# Altium PCB 400442.PcbDoc (part 2 of 4) (continued)
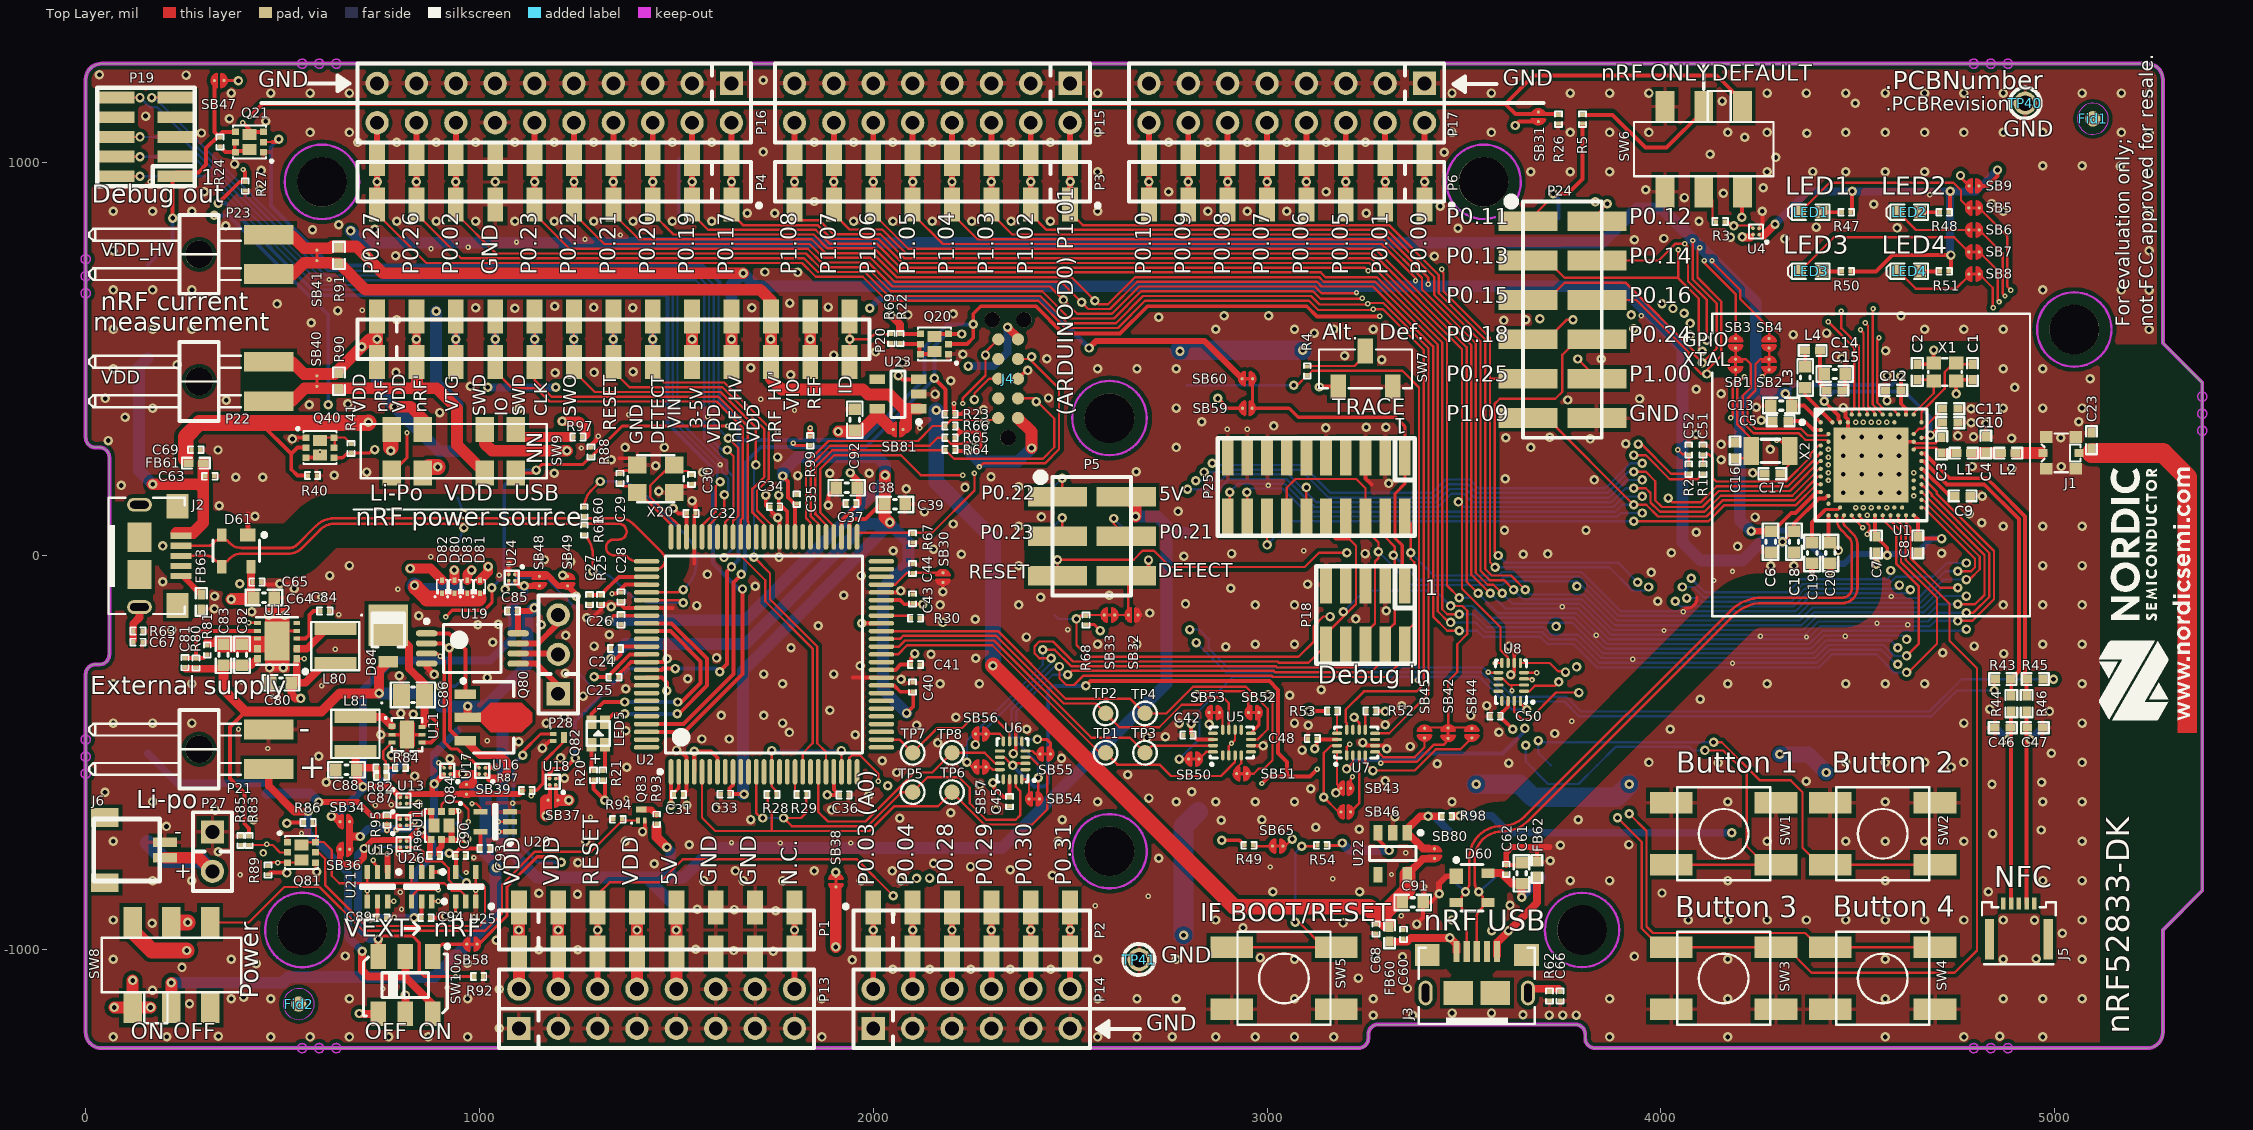
[diagram p0: Top Layer view]
## Nets (pads, with @x,y where several pads share a name; then routed paths per layer and width w, separated by ;. In a path a pad name is that pad's centre, name@x,y a point inside that pad or via, vN(x,y) a via of type N, cw(c..) or ccw(c..) an arc to the next point about the centre after c; other vN are vias at no path point) (continued)
  Bottom Layer w5.91: v1(137.98,1064) 240.49,1064 252.24,1052.24 ; 252.18,1052.18 604.35,700 1549,700 1571,678 1571,296.74 1628,239.74 1628,217.97 1644,201.97 1644,19 v1(1621,-4)
EXT_VTG: P19.1 Q21.4 R24.1 SB47.2 TP53.1 | length 616.6
  Top Layer w10: v1(221,858) 221,955.24 P19.1@229.76,964 ; P19.1@229.76,974 285.99,974 305.99,994 305.99,1035.68 R24.1@336.77,1066.45 ; SB47.2@326.7,1207 326.7,1076.52 R24.1@336.77,1066.45 ; R24.1@341,1062.22 340.41,1062.22 340.09,1062.53 340.09,1063.13 R24.1@336.77,1066.45 ; 341,1070.68 346.9,1076.59 Q21.4@378.6,1076.59
  Bottom Layer w10: TP53.1@157.48,738.19 221,801.71 v1(221,858)
GND: Bat1.2 C1.2 C2.2 C3.1 C4.1 C5.2 C6.2 C7.2 C8.2 C9.2 C10.1 C11.2 C12.2 C13.2 C14.1 C15.2 C16.1 C17.1 C18.2 C19.2 C20.2 C23.2 C24.1 C25.1 C26.1 C27.1 C28.1 C29.2 C30.2 C31.1 C32.2 C33.1 C34.1 C35.1 C36.1 C37.1 C38.1 C39.1 C40.1 C41.1 C42.1 C43.1 C44.1 C45.1 C46.2 C47.1 C48.1 C50.1 C51.1 C52.2 C60.1 C61.1 C62.1 C63.2 C64.1 C65.1 C66.1 C67.1 C68.1 C69.1 C80.1 C82.1 C83.1 C84.1 C85.1 C86.1 C88.1 C89.1 C90.1 C91.1 C92.1 C93.1 C94.1 D60.1 D61.1 FB62.2 FB63.2 J1.2 J4.3 J6.1 P1.6 P1.7 P4.7 P7.6 P7.7 P10.7 P13.1 P13.3 P13.5 P13.7 P13.9 P13.11 P13.12 P13.13 P13.14 P13.15 P14.1 P14.3 P14.5 P14.7 P14.9 P14.11 P15.1 P15.3 P15.5 P15.7 P15.9 P15.11 P15.13 P15.15 P16.1 P16.3 P16.5 P16.7 P16.9 P16.11 P16.13 P16.14 P16.15 P16.17 P16.19 P17.1 P17.3 P17.5 P17.7 P17.9 P17.11 P17.13 P17.15 P18.3 P18.5 P18.9 P19.3 P19.5 P21.1 P24.12 P25.3 P25.5 P25.9 P25.15 P25.17 P25.19 P27.1 Q20.1 Q21.1 Q40.1 Q81.1 Q81.4 Q82.2 Q83.2 Q84.1 R23.1 R25.1 R26.2 R27.1 R30.1 R40.2 R62.1 R63.1 R67.2 R69.1 R81.1 R84.1 R85.2 R88.2 R92.2 R94.2 SB30.2 SB32.1 SW1.1 SW2.1 SW3.1 SW4.1 SW5.1 SW6.1 SW6.4 SW7.1 TP12.1 TP39.1 TP40.1 TP41.1 U1.74 U1.B7 U1.F23 U2.3 U2.35 U2.46 U2.61 U2.72 U2.82 U2.89 U2.92 U4.B1 U5.6 U6.6 U7.6 U8.6 U11.2 U11.5 U11.7 U12.4 U12.8 U12.9 U12.11 U13.B1 U14.B1 U15.B1 U16.B1 U17.B1 U18.B1 U19.4 U20.3 U21.2 U22.2 U23.2 U24.B1 U25.3 U26.2 X1.2 X1.4 X20.2 X20.4 | length 3426.8
  Top Layer w5.71: U1.F23@4642.27,290.05 4646.4,285.92 4698.22,285.92 C3.1@4713.2,300.9
  Top Layer w8: U12.11@486,-227 U12.11@511.59,-201.41 ; U12.11@511.59,-190.41 U12.4@536,-190.41 ; v1@522.98,300.59 Q40.1@557.8,300.59 ; v3(730,-773) 730,-778 741,-789 U21.2@741,-802.6 ; 827,-769 829,-771 v3(842,-771) 853,-782 U26.2@853,-802.6 ; C94.1@875.22,-919 910,-919 v1(914,-915) ; U17.B1@925.87,-538.13 v1@925.87,-514.13 ; U25.3@990.59,-877.4 v3(990.59,-849.59) ; U16.B1@1014.87,-538.13 v2(1038.87,-538.13) ; U18.B1@1193.65,-565.5 1214.9,-565.5 v1(1215.9,-564.5) ; 1354,248 1383.66,248 X20.2@1400.6,231.06 1386.22,216.68 1365.07,216.68 1358.51,210.13 1358.51,209.53 1357.2,208.22 C29.2@1356.61,208.22 ; 4063.26,-132.62 ccw(c4066,-107) 4091.63,-104.35
  Top Layer w9: v1(2177,-91.11) SB30.2@2177,-67.11 ; U5.6@2958.95,-482 v1(2990,-482)
  Top Layer w9.84: U11.2@777.61,-454 U11.7@816,-454 U11.5@854.39,-454 ; U24.B1@1074.13,-47.13 v2(1074.13,-20.87) v2@1078,-17 ; v1(3243,-474) 3250.87,-481.87 U7.6@3274.23,-481.87 3295.87,-481.87 v1(3304,-490) ; P25.5@3250,251.77 3250,197 3266,181 ; U4.B1@4249.75,831.92 4249.92,831.92 4257.87,839.87 v1@4257.87,875.87 ; C15.2@4460.68,421 4468.05,428.37 C14.1@4468.05,461.87 ; v1@4468.74,374.41 4468.74,352.31 4474.94,346.11 U1.B7@4474.94,339.27 U1.74@4474.94,290.05 ; U1.74@4534,231 4593.05,290.05 U1.F23@4642.27,290.05 ; C2.2@4651.45,486.72 4689.95,486.72 X1.2@4692.9,489.68 ; X1.2@4691.68,490.9 X1.2@4692.9,489.68 ; v1(4692.9,522.71) X1.2@4692.9,489.68 ; v1(4749.99,411.37) X1.4@4749.99,444.4 ; X1.4@4752.94,447.35 C1.2@4791.45,447.35
  Top Layer w10: C65.1@445.83,-66 445.83,-66.59 446.14,-66.91 446.73,-66.91 452.83,-73 v1@531.11,-73 ; v1(1160,-488) 1178.14,-469.86 Q82.2@1187.22,-469.86 ; v1@1277.61,-156 1288.61,-156 1310.61,-134 1310.61,-123.69 1359.61,-123.69 1367.81,-131.89 1489.89,-131.89 ; C25.1@1352.83,-308 1353.14,-307.69 1353.14,-301.09 1370.23,-284 1384.55,-269.69 1468.31,-269.69 v1(1477,-261) ; v1(1414,-700) 1419.86,-694.14 Q83.2@1419.86,-671.78 ; X20.4@1494.61,176.31 1531.84,176.31 1537.7,182.17 1537.7,182.46 1538.02,182.78 C30.2@1538.61,182.78 ; 1516,-500 1516,-501 1525.76,-510.76 U2.3@1525.76,-548.23 ; C31.1@1516.83,-606 1525.29,-597.54 U2.3@1525.29,-548.69 ; v1(1540,140) 1548.65,131.35 1548.65,108.18 C32.2@1548.83,108 1548.83,107.41 1545.44,104.02 U2.72@1545.44,48.23 1545.44,-19.56 ; C33.1@1612.46,-604.69 C33.1@1612.78,-605 ; v1(1727,154.32) 1727,127.92 v1@1755.92,99 ; U2.61@1761.98,48.23 v1@1761.98,90.76 ; v1(1886,129) 1886,152.97 C38.1@1906.03,173 ; 1948.06,-309.06 U2.35@2020.83,-309.06 ; U2.46@2020.83,-92.52 2066.09,-92.52 v1(2069.61,-89) ; v2(2205,387) 2205,361.22 R23.1@2206.22,360 2225,360 2229,364 ; v1(2356,-502) 2361.87,-496.13 U6.6@2361.87,-470.77 2361.87,-442.13 2367,-437 ; J4.3@2367.52,450 2388.52,471 v1(2392,471) ; v1(3380,-935) 3396.57,-918.43 C91.1@3396.57,-880 ; v2(3400,-840) 3400,-876.57 C91.1@3396.57,-880 ; v1(3437.12,-858.14) 3415.26,-880 C91.1@3396.57,-880 ; C62.1@3607.57,-784.75 3635.83,-784.75 3643.46,-777.11 C61.1@3643.46,-776.28 ; v1(3614,-229) 3627.87,-242.87 U8.6@3627.87,-271.77 3627.87,-295.13 v1@3621,-302 ; FB62.2@3685.57,-776.27 3685.57,-739
  Top Layer w11.81: D61.1@412.13,53.35 412.13,107.13 ; R88.2@1283,275.22 1283,280 1299,296
  Top Layer w15: v3(788.5,-695) U14.B1@796.75,-686.75 ; v3(794,-756) 794,-745 U15.B1@796.5,-742.5 ; U19.4@865.86,-273.39 865.86,-281.86 v1(885,-301) ; Q84.1@929.18,-647.59 v3@943.59,-647.59 ; v1(3437.12,-858.14) 3437.12,-831.88 3455.61,-813.39 D60.1@3480.41,-813.39 ; C62.1@3607.57,-784.75 3607.57,-753.43 3622,-739 3717,-739 ; v2@4384.39,-41 C19.2@4384.39,-19 ; v2@4430.65,-44 C20.2@4430.65,-19 ; C7.2@4546.84,9.54 4546.84,-20.84 v1(4547,-21)
  Top Layer w25: 311,-219.32 C83.1@344.89,-219.32
  other v1: 69.75,-1221.53 469.75,-1221.53 569.75,-1221.53 669.75,-1221.53 769.75,-1221.53 869.75,-1221.53 969.75,-1221.53 1869.75,-1221.53 2569.75,-1221.53 2669.75,-1221.53 2869.75,-1221.53 2969.75,-1221.53 3069.75,-1221.53 3169.75,-1221.53 3869.75,-1221.53 4169.75,-1221.53 4569.75,-1221.53 4769.75,-1221.53 4969.75,-1221.53 205.63,-1221 2759,-1221 337,-1220 4860.75,-1219.53 1050,-1200 3269.75,-1166.53 3369.75,-1166.53 3717,-1166 3751,-1166 3785,-1166 3650,-1165 3470,-1161 3570,-1161 263.63,-1137 369.75,-1124.53 469.75,-1124.53 669.75,-1124.53 969.75,-1124.53 1869.75,-1124.53 2569.75,-1124.53 2669.75,-1124.53 2769.75,-1124.53 3069.75,-1124.53 3269.75,-1124.53 3869.75,-1124.53 4169.75,-1124.53 4569.75,-1124.53 4869.75,-1124.53 4969.75,-1124.53 5069.75,-1124.53 401,-1121 169.63,-1103 1050,-1100 3356.75,-1098.53 3232,-1072 2050,-1050 2144,-1050 2248,-1050 2348,-1050 2451,-1050 244.63,-1045 433,-1036 969,-1034 1947,-1026 69.75,-1024.53 369.75,-1024.53 2569.75,-1024.53 2769.75,-1024.53 3069.75,-1024.53 4169.75,-1024.53 4569.75,-1024.53 4869.75,-1024.53 5069.75,-1024.53 4953,-1023 2983,-1020 3344,-1018 3933,-1017 659,-1016 3275,-1016 1746,-1004 1646,-1002 1151,-1000 1250,-1000 1549,-999 1043,-976 5020,-958 3571,-952 2939,-944 168.63,-933 3193,-932 69.75,-924.53 2869.75,-924.53 3469.75,-924.53 4069.75,-924.53 4169.75,-924.53 4269.75,-924.53 4369.75,-924.53 4469.75,-924.53 4569.75,-924.53 4669.75,-924.53 4769.75,-924.53 4869.75,-924.53 4949,-925 5069.75,-924.53 1752,-901 1647,-898 1553,-897 3617,-887 1249,-859 1151,-857 4003,-856 3015,-853 3235,-853 4832,-853 169.75,-824.53 269.75,-824.53 1569.75,-824.53 1669.75,-824.53 1769.75,-824.53 1969.75,-824.53 2069.75,-824.53 3769.75,-824.53 3869.75,-824.53 4169.75,-824.53 4569.75,-824.53 4969.75,-824.53 5069.75,-824.53 2455,-811 587,-802 1650,-800 1850,-800 2048.5,-800 2348,-797 2247,-789 1444,-781.6 2153,-781 1250,-779 3719,-774 2725,-768 337,-751 3745,-735 1533,-733.6 3919,-733 69.75,-724.53 1269.75,-724.53 1369.75,-724.53 2469.75,-724.53 4269.75,-724.53 4469.75,-724.53 4569.75,-724.53 4669.75,-724.53 4769.75,-724.53 5069.75,-724.53 4843,-705 4966,-696 3234.22,-694.28 3124,-689 205,-687 2884,-671 426,-670 1689.02,-669.6 2480,-670 2987,-670 3790,-670 2067,-666 3325,-662 2197,-652 329,-646 1895,-645 2312,-645 1600,-640 1526.44,-633.23 169.75,-624.53 2569.75,-624.53 2769.75,-624.53 2869.75,-624.53 2969.75,-624.53 3069.75,-624.53 3469.75,-624.53 4169.75,-624.53 4569.75,-624.53 4969.75,-624.53 5069.75,-624.53 2700,-615 1989,-608 49,-600 2809,-599 3111,-591 2271,-581 4841,-580 611,-575 4967,-575 4369,-572 3300,-571 2646,-556 2060,-550 1374,-537 4737,-536 3432,-528 3614,-526 3969.75,-524.53 4146,-525 4469.75,-524.53 4569.75,-524.53 4669.75,-524.53 4769.75,-524.53 5069.75,-524.53 2023,-520 925.17,-514.83 2478,-514 1206,-513 592,-509 776,-506 4992,-501 1500.61,-493 3089,-493 3364,-484 2164,-475 1100,-472 1565,-465 1634,-465 2695,-461 2742,-459 749,-454 1954.61,-454 1787.09,-448.23 3589,-448 1372,-444 2390,-440 2110,-430 3105,-430 3300,-429 69.75,-424.53 169.75,-424.53 269.75,-424.53 1169.75,-424.53 1769.75,-424.53 2777,-425 3069.75,-424.53 4769.75,-424.53 5069.75,-424.53 2210,-410 1215,-408 1614,-405 1722,-405 3517,-405 832,-402 800,-400 4987,-395 1890,-392 4835,-389 3342,-381 3558,-380 1263,-356 3058,-354 3138,-340 1371.61,-337 69.75,-324.53 269.75,-324.53 1769.75,-324.53 2169.75,-324.53 2269.75,-324.53 4169.75,-324.53 4269.75,-324.53 4469.75,-324.53 4569.75,-324.53 4669.75,-324.53 5069.75,-324.53 2070.61,-313 1529,-312 1020,-309 796,-304 3619,-302 1722,-300 1900,-300 1218,-298 467,-284 502,-284 1966.61,-279 2260,-260 1602,-259 2146.68,-249.6 4871,-248 4716,-246 1791.09,-233.23 2895,-231 1291,-229 4796,-229 2569.75,-224.53 2669.75,-224.53 2969.75,-224.53 3069.75,-224.53 4969.75,-224.53 5069.75,-224.53 1034,-219 2389,-206 1219,-202 1329.61,-200 219,-187 1860.09,-177.23 996,-175 1157,-175 1048,-173.98 2177,-169 2259,-161 3225,-160 1272.61,-157 846,-152 465,-151 506,-151 2702,-145 421.57,-141.97 3303,-139 327,-134 1334.61,-129 1552,-126 2169.75,-124.53 2369.75,-124.53 2969.75,-124.53 3069.75,-124.53 4869.75,-124.53 4969.75,-124.53 5069.75,-124.53 2793,-122 3992,-115 600,-105 2425,-105 327.29,-102.71 1925,-100 2599,-100 529.61,-83 2908,-82 1700,-77 3103,-72 391,-71 492.61,-70.5 196,-65.6 620,-50 1969,-50 1579,-47 3976,-42 669.75,-24.53 2369.75,-24.53 4278.98,-24.91 4338.13,-24.91 4969.75,-24.53 5069.75,-24.53 1232,-15 1165,-10 1760.61,-3 2789,-1 2224,4 3651,4 3713,5 2910,6 3249,6 4713,7 4027,8 2050.61,13 2153,17 4195,24 196,25.4 4090,60 3603,65 3810,65 2369.75,75.47 4869.75,75.47 4969.75,75.47 5069.75,75.47 2203,81 4815,84 1757.61,97 4239.39,98.73 2427,99 430,100.4 4783,107 2130,112 2774,113 339,127.45 4816.48,151.28 4463.13,160.13 4510.38,160.13 4557.62,160.13 4604.87,160.13 1455,164 2084,170 2233,174 2369.75,175.47 90,179 3309,184 3831,193 3605,196 381,200 450,200 2425,200 2299,201 1808,204 631,205 4463.13,207.38 4510.38,207.38 4557.62,207.38 4604.87,207.38 1190,210 1889.61,210 1990,210 4233.39,210.73 1567,212 714,213 2667.68,213.4 4890.62,223.06 4790.89,227.06 5016.6,227.06 1447.61,229 1334.61,244 4153,244 1757,251 4463.13,254.62 4510.38,254.62 4557.62,254.62 4604.87,254.62 336,269 4278.09,270.37 1369.75,275.47 1469.75,275.47 2769.75,275.47 3669.75,275.47 4153,283 3911,285 57,293 525,297 3821,297 4890.64,298.9 5015.61,299.9 3606,300 3718,301 4463.13,301.87 4510.38,301.87 4557.62,301.87 4604.87,301.87 4794,302.69 4754.44,304.79 4090,309 3149,325 3252,327 3302,327 3017,330 4825.34,336.35 4787.94,338.28 2834,341 5061,341 4255.39,344.73 100,352 899,364 2280,371 4787.94,373.72 1100,374 169.75,375.47 2769.75,375.47 4869.75,375.47 4969.75,375.47 5069.75,375.47 4463.13,376.67 4242.66,377.65 568,384 666,386 4574.35,394.39 357,395 3764,396 3946,399 50,400 2445,401 2157,411 4153,412 4090,423 4898.65,427.85 977,431 2197,445 5090,450 4574.42,457.28 1790,460 1192,465 788,466 1291,466 1390,468 69.75,475.47 2569.75,475.47 2669.75,475.47 2769.75,475.47 4869.75,475.47 4969.75,475.47 1689,478 232,485 2074,491 3291,498 3849,500 2441,501 4460,502 3197,508 1900,510 2227.64,512.17 2006,518 4570.82,521.35 4336,562 3120,566 4421,566 69.75,575.47 169.75,575.47 269.75,575.47 2869.75,575.47 3069.75,575.47 3169.75,575.47 3269.75,575.47 4669.75,575.47 4769.75,575.47 4869.75,575.47 5240,575 573,592 3601,598 790,600 3657,600 2725,606 2891,610 3004,610 4610,610 2088,612 2203,614.4 640,623 1090,629 990,630 1389,630 1692,630 1290,631 1886,632 1191,634 486,640 1788,642 69.75,675.47 169.75,675.47 269.75,675.47 4969.75,675.47 5169.75,675.47 5240,675 1808,720 1725,721 3425,761 787,762 69.75,775.47 5240,775 3933,803 4315,805 4008,806 4177,809 576,828 734,829 3485,832 4600,833 4395,835 356,838 643,841 790,850 890,850 990,850 1090,850 1190,850 1290,850 1390,850 1490,850 1590,850 1950,850 2050,850 2150,850 2250,850 2350,850 2450,850 4097,850 1680,870 1750,870 3252,870.4 69.75,875.47 169.75,875.47 269.75,875.47 2569.75,875.47 2850,875 2950,875 3050,875 4257.87,875 4869.75,875.47 5240,875 3440,888 4541,893 4840,895 1850,900 4060,910 4159,920.68 301,925 2750,925 3150,925 442,930 3962,930 4260,935 1040,950.4 2569.75,975.47 3669.75,975.47 3769.75,975.47 3869.75,975.47 4269.75,975.47 4469.75,975.47 4569.75,975.47 4669.75,975.47 5240,975 4386,976 446,979 5167,989 4969.75,990.47 5069.75,990.47 378,995 4292,1012 4125,1020 3450,1025 1721,1026 691,1050 790,1050 890,1050 990,1050 1090,1050 1190,1050 1290,1050 1390,1050 1490,1050 1590,1050 1850,1050 1950,1050 2050,1050 2150,1050 2250,1050 2350,1050 2450,1050 2750,1050 2850,1050 2950,1050 3050,1050 3150,1050 3250,1050 4213,1063 4371,1073 293.99,1074 569.75,1075.47 669.75,1075.47 2569.75,1075.47 3469.75,1075.47 3569.75,1075.47 3769.75,1075.47 3869.75,1075.47 3969.75,1075.47 4169.75,1075.47 4269.75,1075.47 4469.75,1075.47 4569.75,1075.47 4669.75,1075.47 4769.75,1075.47 4869.75,1075.47 4969.75,1075.47 5169.75,1075.47 5240,1075 457,1104 365,1110 152,1117 4493.87,1149.87 4156,1155 369.75,1175.47 469.75,1175.47 569.75,1175.47 669.75,1175.47 2569.75,1175.47 3469.75,1175.47 3569.75,1175.47 3769.75,1175.47 3869.75,1175.47 3969.75,1175.47 4269.75,1175.47 4369.75,1175.47 4469.75,1175.47 4569.75,1175.47 4669.75,1175.47 4769.75,1175.47 4869.75,1175.47 5069.75,1175.47 5169.75,1175.47 5240,1175 1721,1208 254.99,1221 34.99,1222
  other v2: 755,-1099 918.3,-1097 3341,-914 2051,-910 2564,-888 2698,-864 3167,-820 392,-810 3316,-809 3008,-790 3352,-754 1764,-729 1943,-729 1640,-728 548,-704 495,-703 1282,-664 1373,-615 806,-503 828,-502 462,-489 1020,-469 388,-440 3774,-420 474,-357 599,-330 396,-320 4182,-272.41 3929,-262.41 634,-237 4370,-206 4253,-204 4468,-204 3836,-201.41 4008,-189.41 2494,-187 4627,-175 4549,-171 643,-149 4057,-141.41 3750,-129 4585,-103 793,-85 4134.84,-62.41 1050.4,-49 4430,-44 4384,-41 4182,-39.41 953,-3 876,-2 3093,13 2848,161 3003,179 1611,232 1259,274 1302,304 1757,315 2899,322 2950,322 2118,325 1580,353 1379,359 1800,370 1714,398 3950,610 702,624 618,702 877,780 971,784 1094,797 1268,804 1358,815 4683,917 164,950
  other v3: 784,-918 986,-916 802,-897 799,-854 966,-804 986,-766 1047,-743 947,-648 735,-633 776,-632 1084,-628
  other v4: 836,-559 3731,-451 4024,-440 4100,-364
I\F\_\O\F\F\: Q20.2 Q21.2 R5.1 TP42.1 U2.90 U5.2 U5.10 U6.2 U6.10 U7.2 U18.B2 U24.B2 | length 10190.2
  Top Layer w5.91: Q21.2@453.4,1051 474,1051 ; v1(1065,-85) 1074.13,-75.87 U24.B2@1074.13,-62.87 ; U6.10@2321.52,-511.13 2333.09,-511.13 2348.84,-526.87 U6.2@2386.48,-526.87 ; U5.2@2902.85,-506.61 2902.85,-483.15 v2(2909.73,-476.27) 2918.6,-467.4 U5.10@2918.6,-441.65 ; v1(3202,-541) 3218.13,-524.87 U7.2@3218.13,-506.48
  Top Layer w10: 474,1051 483,1051 v1(490,1058) ; U18.B2@1177.9,-565.5 1177.9,-551.1 1187.62,-541.38 1215.62,-541.38 v1(1243,-514) ; U2.90@1424.38,-289.37 1463.1,-289.37 1466.47,-286 v1(1497,-286) ; v1(1610,-294) 1629,-275 1629,-39 v1(1640,-28) ; Q20.2@2192.53,538 2238,538 2254,554 v1(2254,588) 2254,615 2273,634 2413.17,634 2482.17,565 2627,565 2696,634 3100.94,634 3126.61,608.32 3285.67,608.32 v2(3286.17,608.83) ; v1(2540,-330) 2552.08,-317.92 3005.92,-317.92 3028.08,-340.08 3028.08,-500.08 3051,-523 3051,-559.71 ; v2(2987,-578) 3005,-560 3036.53,-560 3036.82,-559.71 3051,-559.71 ; v2(3127,-542) 3109.29,-559.71 3051,-559.71 ; v1@3732,925 v1(3727,920) 3764,920 3801,957 R5.1@3801,1097.78
  Mid-Layer 1 w10: v2@2910.73,-475.27 2948.27,-475.27 2987,-514 v2(2987,-578) ; v2(3127,-542) 3201,-542 v1(3202,-541) ; v2(3286.17,608.83) 3301.35,624 3671,624 v1(3693,602)
  Mid-Layer 2 w10: v1(3655,-438) 3680,-438 3711.09,-406.91 3711.09,-180 3711,-179.91 3711,-163 3752.19,-121.81 3752.19,-35.81 3860.28,72.28 3860.28,344.72 3727,478 3727,568 v1(3693,602) 3681,614 3681,874 v1(3727,920)
  Bottom Layer w5.91: v1(1065,-85) 1094.7,-55.3 1167.3,-55.3 1248,-136 1248,-294.4 1308.6,-355 ; 1607,424 1607,687.94
  Bottom Layer w10: v1(490,1058) 471,1039 471,889 622,738 1567,738 1609,696 1609,687.94 ; v1(1243,-514) 1243,-420.6 1308.6,-355 1377.6,-286 v1(1497,-286) 1602,-286 v1(1610,-294) ; 1609,424 1609,394 1658,345 1658,296 ; v1(1640,-28) 1658,-10 1658,296 ; v1(2254,588) 2188,588 2130.5,530.5 2130.5,448.8 1975.7,294 1921.39,294 1920.49,293.09 1901.51,293.09 1900.61,294 1660,294 1658,296 ; v1(2354,-532) 2408,-586 2435,-586 2444,-577 2444,-341 2455,-330 v1(2540,-330) ; v1(3202,-541) 3225,-518 3379,-518 3395.47,-501.53 3598.47,-501.53 3655,-445 v1(3655,-438) ; v1(3727,920) 3740.16,906.84 TP42.1@3740.16,856.3
IMCU_BOOT: SB46.2 SB65.1 U2.24 U7.15 | length 1912.3
  Top Layer w5.91: U2.24@1939.14,-548.23 1939.14,-512.86 1946,-506 1966,-506 2013,-553 v2(2013,-572) ; SB65.1@3040.3,-737 3046,-737 v1(3064,-719) ; v1(3144,-613) v1@3144.3,-613.3 ; v1@3146.3,-613.3 v1@3151,-613.3 ; U7.15@3177.77,-481.87 3162.43,-481.87 3144.3,-500 v1@3144.3,-613.3 ; SB46.2@3187.7,-650 3181,-650 3180.83,-649.83 v1@3144.3,-613.3
  Mid-Layer 1 w5.91: v2(2013,-572) 2013,-722 v1(2110,-819)
  Mid-Layer 2 w5.91: v1(2110,-819) 2148,-857 2538.52,-857 2550.93,-869.41 2703.11,-869.41 2825.52,-747 2988.3,-747 3019.3,-716 3138.03,-716 3153,-701.03 3153,-622 v1(3144,-613)
IMCU_CTS: TP1.1 U2.38 U5.3 | length 1061.6
  Top Layer w5.91: U2.38@2020.83,-250 2062.55,-250 2085.55,-227 2113,-227 2302,-227 TP1.1@2575,-500 ; TP1.1@2590,-500 2620,-530 2727,-530 2756,-559 2883,-559 2918.87,-523.13 U5.3@2918.87,-506.48
IMCU_RESET: J4.10 R66.1 TP52.1 U2.57 | length 733.9
  Top Layer w5.91: U2.57@1840.72,48.23 1840.72,84.42 1829,96.13 1829,234.91 1886.09,292 2113.31,292 2151.32,330 R66.1@2183.78,330 2183.78,331.51 2197.27,345 2312.52,345 J4.10@2317.52,350 ; J4.10@2321.26,346.26 J4.10@2325,350
  other v1: 2283,340
IMCU_RTS: TP3.1 U2.39 U5.15 | length 955.1
  Top Layer w5.91: U2.39@2020.83,-230.32 2065.26,-230.32 2080.63,-214.95 2088,-214.95 2243,-214.95 2243.05,-215 2306.97,-215 2553.97,-462 2652,-462 TP3.1@2676.7,-486.7 ; TP3.1@2690,-500 2708.13,-481.87 U5.15@2862.77,-481.87
IMCU_RXD: TP2.1 U2.40 U5.11 | length 1086.7
  Top Layer w5.91: U2.40@2020.83,-210.63 2067.98,-210.63 2075.66,-202.95 2311.89,-202.95 2483.94,-375 2565,-375 TP2.1@2590,-400 2625,-435 2726.27,-435 2783.27,-378 2831,-378 2850,-359 2888,-359 2902.85,-373.85 U5.11@2902.85,-441.65
IMCU_TCKS: J4.4 R65.1 TP49.1 U2.56 | length 1214
  Top Layer w5.91: U2.56@1860.4,48.23 1860.4,81.7 1841,101.1 1841,229.94 1891.06,280 2143.16,280 2163.16,300 R65.1@2183.78,300 2183.78,298.49 2197.18,285.09 2197.59,285.09 2197.68,285 2226,285 2230,289 v2@2256,289 ; v2(2269.68,226) 2278.68,235 2435.84,235 2471.91,271.07 2471.91,425.09 2397,500 J4.4@2375,500
  Mid-Layer 1 w5.91: v2@2256,289 2256,285 2269.68,271.32 v2(2269.68,226)
  other v1: 2402,506
  other v2: 2255,289
IMCU_TDIS: J4.8 R67.1 TP51.1 U2.51 | length 713.9
  Top Layer w5.91: U2.51@1958.83,48.23 1958.83,56.32 1961.51,59 2150,59 2257,166 v2(2257,210) v2@2257,211 ; v1(2257,397) 2257,413.03 2293.97,450 J4.8@2325,450
  Mid-Layer 1 w5.91: v2(2257,210) 2219.78,247.22 2219.78,357.44 2257,394.66 v1(2257,397)
IMCU_TDOS: J4.6 TP50.1 U2.54 | length 987.8
  Top Layer w5.91: U2.54@1899.77,48.23 1899.77,76.27 1865,111.04 1865,220 1901,256 2070,256 2121,205 v2(2227,205) ; v2(2227,387) 2227,400 2285,458 v1(2285,510) 2285,517.48 J4.6@2317.52,550 ; J4.6@2321.26,546.26 J4.6@2325,550
  Mid-Layer 1 w5.91: v2(2227,205) 2227,223.16 2207.87,242.29 2207.87,362.37 2227,381.5 v2(2227,387)
IMCU_TMSS: J4.2 R64.1 TP48.1 U2.55 | length 1018.3
  Top Layer w5.91: U2.55@1880.09,48.23 1880.09,78.99 1853,106.07 1853,224.97 1896.03,268 R64.1@2184.27,268 ; R64.1@2186.09,267.09 2186.09,267.68 R64.1@2183.78,270 2183.78,268.49 R64.1@2184.27,268 ; J4.2@2375,400 2408.59,400 2459.91,348.69 2459.91,276.04 2430.87,247 2205.27,247 R64.1@2184.27,268
  other v1: 2414,392
IMCU_TXD: TP4.1 U2.41 U5.7 | length 1225.3
  Top Layer w5.91: U2.41@2020.83,-190.95 2316.86,-190.95 2488.91,-363 2653,-363 TP4.1@2690,-400 2744.3,-400 2812.38,-331.92 2945.92,-331.92 3002,-388 3002,-440.3 2976.05,-466.25 U5.7@2958.95,-466.25
N\R\F\_\O\N\L\Y\: R3.1 TP22.1 U4.B2 | length 81.4
  Top Layer w5.91: R3.1@4160.48,847.26 R3.1@4162.22,849 4163.96,847.26 4172.43,847.26 4180.59,839.09 4226.65,839.09 U4.B2@4234,831.75
  other v1: 4185,838
NetC3_2: C3.2 L1.1 U1.H23 | length 113.7
  Top Layer w5.71: U1.H23@4642.27,270.37 4646.4,274.5 4700.15,274.5 4713.31,261.34 C3.2@4713.51,261.14
  Top Layer w20: C3.2@4713.31,261.34 L1.1@4748.51,261.34
NetC4_2: C4.2 L1.2 L2.1 | length 70.4
  Top Layer w30: L1.2@4790.6,261 L2.1@4861,261
NetC9_1: C9.1 U1.N24 | length 113.2
  Top Layer w9.84: U1.N24@4661.95,221.16 4664.96,221.16 4733.85,152.26 C9.1@4746.6,152.26
NetC16_2: C16.2 SB2.1 X2.1 | length 326.5
  Top Layer w5.91: C16.2@4188.39,248.05 4209.49,248.05 4229.18,267.73 4229.18,298.82 4194.39,333.61 4194.39,437.39 v2(4212.39,455.39) ; v2@4213.39,455.39 v2@4214.39,454.39 ; v2(4258,455.7) SB2.1@4275,472.7
  Mid-Layer 1 w5.91: v2@4216.7,458.7 4255,458.7 v2(4258,455.7)
NetC17_2: C17.2 SB1.1 X2.2 | length 378.9
  Top Layer w5.91: v2(4178,351) 4182.68,355.68 4182.68,442.24 4190,449.56 SB1.1@4190,472.7 ; v2(4294,294) 4301.33,294 4327.6,267.73 X2.2@4327.6,266.73 4327.6,233.26 C17.2@4303.07,208.73
  Mid-Layer 1 w5.91: v2@4179,351 4236,294 v2(4294,294)
NetC19_1: C19.1 U1.AC5 | length 140.4
  Top Layer w7.24: C19.1@4384,34 C19.1@4384,34.15 ; 4411.9,112.5 4417.4,118 4419.45,118 4419.62,117.83 4438.94,117.83 4439.19,118.08 4450.61,118.08 U1.AC5@4455.26,122.73
  Top Layer w10: C19.1@4384.39,34.15 4384.39,84.98 4413.87,114.46
NetC27_2: C27.2 R25.2 U2.78 | length 164.4
  Top Layer w10: C27.2@1279.61,-99.78 R25.2@1307.61,-99.78 1308.2,-99.78 1308.51,-99.47 1308.51,-98.87 1328.03,-79.36 1328.36,-79.36 1354.57,-53.15 U2.78@1424.38,-53.15
NetC44_2: C44.2 SB30.1 U2.47 | length 168.5
  Top Layer w5.91: U2.47@2020.83,-72.84 2055.68,-72.84 2085.29,-43.22 C44.2@2100,-43.22 ; C44.2@2100,-42.69 2176.83,-42.69 SB30.1@2177,-42.51
NetC46_1: C46.1 J5.2 R44.1 TP17.1 | length 518.1
  Top Layer w9.84: J5.2@4889.68,-882.75 R44.1@4889.68,-405
  Bottom Layer w20: TP17.1@4850.31,-442.13 4855.31,-442.13 v1(4880.31,-467.13)
NetC47_2: C47.2 J5.4 R46.1 TP18.1 | length 518.1
  Top Layer w9.84: J5.4@4929.05,-882.75 R46.1@4929.05,-405
  Bottom Layer w20: v1(4938.42,-467.13) 4963.42,-442.13 TP18.1@4968.42,-442.13
NetC60_2: C60.2 C61.2 C62.2 D60.4 FB60.1 J3.1 TP15.1 | length 644.4
  Top Layer w20: FB60.1@3311.27,-979.67 3355.28,-979.67 3365,-969.95 v1(3464.55,-969.95) 3481.47,-986.86 J3.1@3481.47,-1004.65 ; D60.4@3561.12,-805.52 3594.52,-805.52 3621.54,-832.54 C61.2@3646.57,-832.54 v1(3646.57,-867)
  Mid-Layer 2 w20: v1(3464.55,-969.95) 3487.05,-969.95 3540,-917 3626.57,-917 3646.57,-897 v1(3646.57,-867)
  Bottom Layer w20: v1(3646.57,-867) 3647.84,-867 TP15.1@3697.91,-816.93
NetC63_1: C63.1 C64.2 C65.2 D61.4 FB61.1 J2.1 TP11.1 | length 1214.8
  Top Layer w20: C64.2@420.01,-109.26 D61.4@420.01,-27.35
  Top Layer w30: v1(170,182) 287.6,182 298.6,171 ; J2.1@230,58.4 273,58.4 298.6,84 298.6,171 ; FB61.1@298.6,235.6 298.6,171 ; v1(370,-110) 370.74,-109.26 C64.2@420.01,-109.26
  Mid-Layer 2 w30: v1(170,182) 345,7 345,-73 370,-98 v1(370,-110)
  Bottom Layer w30: TP11.1@157.48,501.97 135,479.49 135,217 v1(170,182)
NetC66_2: C66.2 J3.6@3402.73,-1109.96 J3.6@3406.66,-1013.51 J3.6@3485.4,-1109.96 J3.6@3579.89,-1109.96 J3.6@3658.63,-1013.51 J3.6@3662.57,-1109.96 R62.2 | length 81.9
  Top Layer w20: J3.6@3662.57,-1109.96 3673.34,-1099.19 3740,-1099.19
NetC67_2: C67.2 J2.6@136.53,47.24 J2.6@136.53,129.92 J2.6@136.53,-47.24 J2.6@136.53,-129.92 J2.6@232.98,125.98 J2.6@232.98,-125.98 R63.2 | length 90.6
  Top Layer w20: C67.2@120.87,-214 120.87,-172.13 136.53,-156.47 J2.6@136.53,-129.92
NetC81_1: C81.1 R80.1 R81.2 U12.7 | length 282.2
  Top Layer w10: C81.1@252,-259.78 279,-259.78 279.09,-259.87 279.09,-260.46 279.41,-260.78 R80.1@280,-260.78 R80.1@280,-259.78 ; R81.2@309,-250.22 308.41,-250.22 308.09,-250.54 308.09,-251.13 299.44,-259.78 R80.1@280,-259.78 ; U12.7@436,-190.41 290.59,-190.41 280,-201 R80.1@280,-259.78
NetC84_2: C84.2 U12.3 | length 109.6
  Top Layer w10: U12.3@536,-210.09 558.07,-210.09 568,-200.17 568,-150.17 578.17,-140 587.31,-140
NetC86_2: C86.2 D84.3 U11.4 U11.6 | length 405.9
  Top Layer w9.84: 860.46,-416 860.53,-416.06 861.08,-416.62
  Top Layer w10: U11.4@854.39,-473.68 877.32,-473.68 892,-459 892,-422 880,-410 860.53,-410
  Top Layer w20: D84.3@768,-176.44 821.34,-229.78 821.34,-286.34 860.53,-325.53 C86.2@860.53,-353 ; 860.53,-426.94 860.53,-416.06 860.53,-410 C86.2@860.53,-353.95
NetC87_1: C87.1 R82.1 R84.2 U11.3 | length 135.6
  Top Layer w5.91: R82.1@761.22,-538 R82.1@762.22,-538 ; C87.1@762.22,-560 R82.1@762.22,-538 ; R84.2@787.78,-538 R82.1@762.22,-538 ; R82.1@762.22,-538 762.22,-521.51 755.29,-514.58 755.29,-496.01 771.76,-479.54 ; 771.76,-479.54 U11.3@777.61,-473.68 773.68,-473.68 771.76,-475.61 771.76,-479.54
NetC92_2: C92.2 SB81.2 SW9.7 U23.5 | length 1157
  Top Layer w30: SW9.7@1013.74,321.12 1013.74,285.26 1032,267 v1(1222,267) ; v1(1911,316) 1968,316 2009.85,357.85 ; U23.5@2009.85,369 2009.85,357.85 ; 2044.35,323.35 2044.03,323.67 2009.85,357.85
  Mid-Layer 2 w40: v1(1222,267) 1295,340 1887,340 v1(1911,316)
NetFB62_1: FB62.1 J3.5 TP16.1 | length 243.1
  Top Layer w20: J3.5@3583.83,-1014.65 3583.83,-982.17 3685.57,-880.43 FB62.1@3685.57,-813.67
  other v1: 3613,-952
NetFB63_1: FB63.1 J2.5 | length 71.2
  Top Layer w15: J2.5@241.84,-51.18 246.49,-51.18 FB63.1@293.57,-98.27
NetL3_1: L3.1 L4.2 | length 41.3
  Top Layer w9.84: L3.1@4366.68,480.02 L4.2@4366.68,521.35
NetL3_2: L3.2 U1.B3 | length 116.1
  Top Layer w9.84: L3.2@4366.68,426.87 4366.68,408.16 U1.B3@4435.57,339.27
NetL80_1: L80.1 U12.2 | length 118.7
  Top Layer w18: U12.2@536,-235.69 562.31,-235.69 612.31,-185.69 L80.1@634,-185.69
NetL81_1: L81.1 U11.1 | length 102.4
  Top Layer w20: L81.1@685,-408.69 753.96,-408.69 U11.1@777.61,-432.35
NetLED1_1: LED1.1 SB5.2 | length 501.1
  Top Layer w5.91: LED1.1@4353.33,872.73 4428.33,947.73 4743.27,947.73 4762.38,928.62 4762.38,903.38 SB5.2@4782.03,883.73
NetLED1_2: LED1.2 R47.1 | length 51.3
  Top Layer w10: LED1.2@4408.33,872.73 R47.1@4459.62,872.73
NetLED2_1: LED2.1 SB6.2 | length 197.4
  Top Layer w5.91: LED2.1@4603.33,872.73 4648.32,827.73 4762.5,827.73 SB6.2@4782.03,827.73
NetLED2_2: LED2.2 R48.1 | length 50.3
  Top Layer w10: LED2.2@4658.33,872.73 R48.1@4708.62,872.73
NetLED3_1: LED3.1 SB7.2 | length 479.9
  Top Layer w5.91: LED3.1@4353.33,722.73 4439.6,809 4744.77,809 SB7.2@4782.03,771.73
NetLED3_2: LED3.2 R50.1 | length 51.3
  Top Layer w10: LED3.2@4408.33,722.73 R50.1@4459.62,722.73